# KiCad board SimulTypeUltra.kicad_pcb (continued)
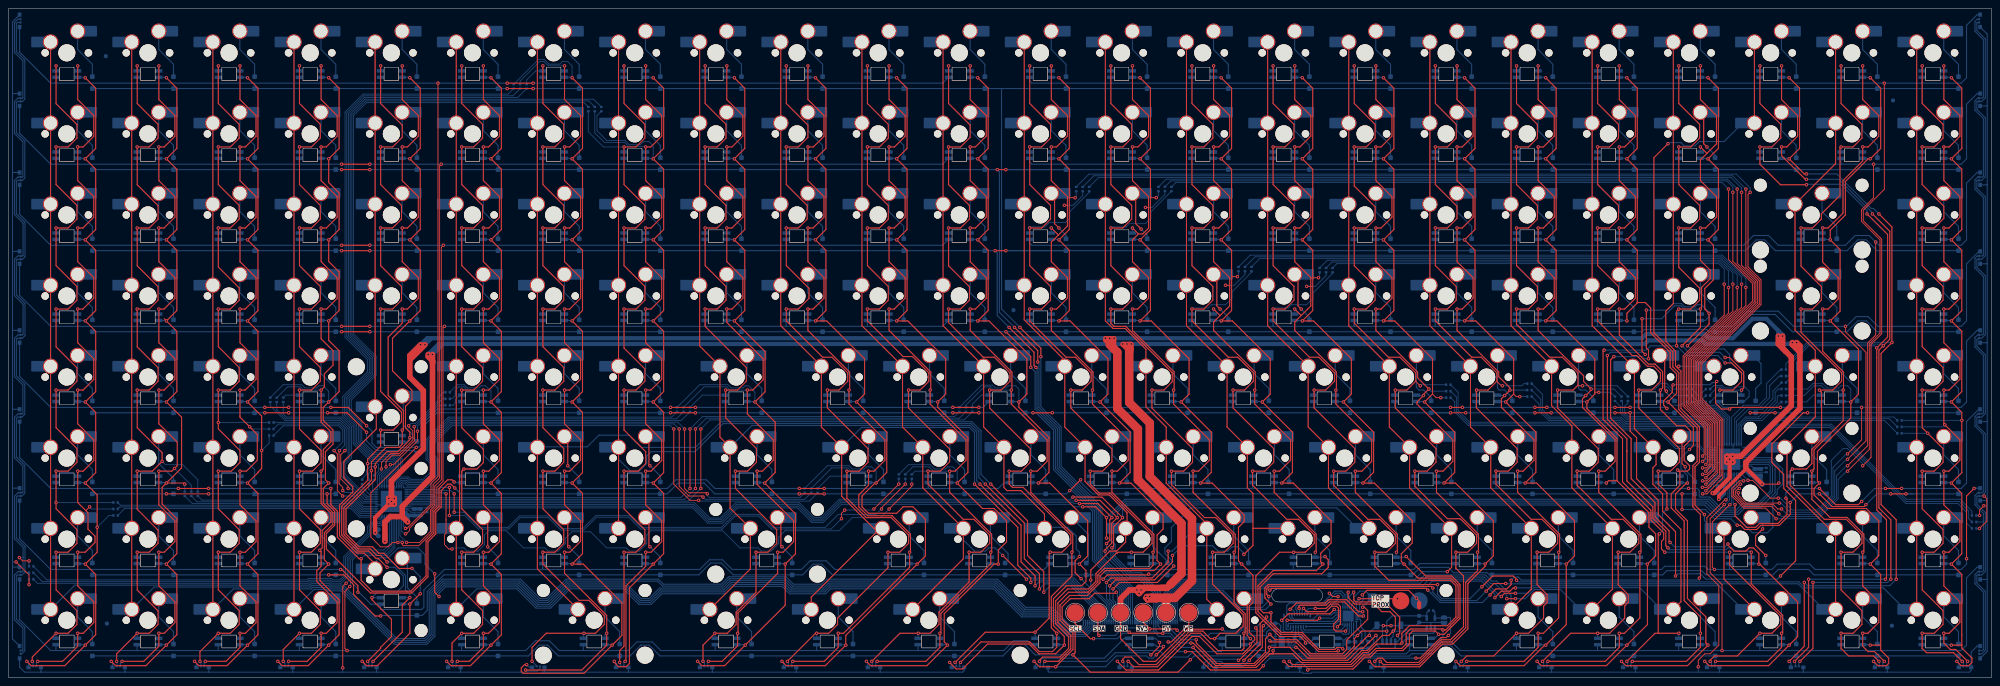
[diagram p0: board, top side]
## Routing (per net, layer and track width the routed paths; a pad name or vN(x,y) marks a point on that pad's centre or on a via; arc(x,y) is an arc through that point) (continued)
/G24c: length 197.5
  Top w0.25: v1(440.42,3.79) 438.14,6.08 436.61,6.08 435.34,7.35 v1(435.34,10.39) 436.57,10.39 439.11,12.94 439.11,17.76 435.34,21.53 v1(435.34,29.44) 435.61,29.71 435.61,33.68 431.66,37.63 427.67,37.63 423.41,41.89 v1(423.41,48.49) 423.91,49 423.91,53.5 430.77,60.35 v1(430.77,67.54) 430.85,67.62 430.85,71.78 425.95,76.68 v1(425.95,86.59) 427.22,86.59 429.59,88.97 429.59,93.96 425.95,97.6 v1(425.95,105.64) 427.22,105.64 430.71,109.14 430.71,116.76 435.34,121.39 v1(435.34,124.69) 436.61,124.69 439.11,127.2 439.11,132.06 435.34,135.83 v1(435.34,143.75)
  Bottom w0.2: R50.1 421.63,66.27 423.91,68.56 425.67,68.56 426.68,67.54 v1(430.77,67.54)
  Bottom w0.25: LED47.2 435.33,124.69 v1(435.34,124.69) ; v1(425.95,86.59) 425.81,86.46 LED93.2 ; v1(440.42,3.79) 440.04,3.41 LED212.2 ; v1(423.41,48.49) 423.43,48.47 LED137.2 ; LED116.2 430.57,67.35 v1(430.77,67.54) ; LED70.2 425.81,105.51 v1(425.95,105.64) ; v1(435.34,29.44) 435.33,29.44 LED159.2 ; v1(435.34,143.75) 435.33,143.74 LED23.2 ; LED175.2 435.33,10.39 v1(435.34,10.39)
/G25c: length 191
  Top w0.25: v1(459.98,3.79) 457.19,6.58 455.92,6.58 454.39,8.11 v1(454.39,10.39) 455.62,10.39 458.16,12.94 458.16,17.76 454.39,21.53 v1(454.39,29.44) 455.62,29.44 458.16,31.99 458.16,36.81 454.39,40.58 v1(454.39,48.49) 455.62,48.49 458.16,51.04 458.16,55.86 v1(454.63,59.4) 454.39,59.63 v1(454.39,67.54) 455.62,67.54 458.16,70.09 458.16,74.91 454.39,78.68 v1(454.39,86.59) 455.62,86.59 458.16,89.14 458.16,93.96 454.39,97.73 v1(454.39,105.64) 455.62,105.64 458.16,108.19 458.16,113.01 454.39,116.78 v1(454.39,124.69) 455.66,124.69 458.16,127.2 458.16,132.06 454.39,135.83 v1(454.39,143.75)
  Bottom w0.2: R51.1 454.14,58.91 v1(454.63,59.4)
  Bottom w0.25: LED71.2 454.38,105.64 v1(454.39,105.64) ; LED94.2 454.38,86.59 v1(454.39,86.59) ; LED138.2 454.38,48.49 v1(454.39,48.49) ; LED117.2 454.38,67.54 v1(454.39,67.54) ; LED24.2 454.38,143.74 v1(454.39,143.75) ; v1(454.39,29.44) 454.38,29.44 LED160.2 ; v1(459.98,3.79) 459.75,3.56 LED213.2 ; v1(454.39,124.69) 454.38,124.69 LED48.2 ; v1(454.39,10.39) 454.38,10.39 LED176.2
/G26c: length 168.7
  Bottom w0.2: 463.68,36.81 463.68,36.56 R52.1
  Bottom w0.25: LED222.2 462.23,154.72 461.7,154.2 461.7,151.87 463.68,149.88 463.68,136.41 463.44,136.17 LED221.2 462.37,136.17 461.7,135.5 461.7,133.32 463.68,131.34 463.68,117.86 463.44,117.62 LED220.2 462.37,117.62 461.7,116.95 461.7,114.77 463.68,112.79 463.68,99.31 463.44,99.07 LED219.2 462.23,99.07 461.7,98.55 461.7,96.22 463.68,94.24 463.68,80.76 463.44,80.52 LED218.2 462.34,80.52 461.7,79.88 461.7,77.67 463.68,75.69 463.68,62.22 463.44,61.98 LED217.2 462.34,61.98 461.7,61.34 461.7,59.09 463.68,57.11 463.68,43.67 463.44,43.43 LED216.2 462.37,43.43 461.7,42.76 461.7,40.57 463.68,38.59 463.68,25.12 463.44,24.88 LED215.2 462.37,24.88 461.7,24.21 461.7,22.02 463.68,20.04 463.68,6.57 463.44,6.33 LED214.2
/GUARD: length 17.3
  Bottom w0.25: J2.9 302.53,15.7 302.25,15.98 302.25,16.74 302.5,17 308.85,17 311.65,19.79 312.66,19.79 313.3,19.15 U2.19
/INT: length 473.5
  Top w0.25: v1(249.92,42.4) 256.74,42.4 v1(261.56,37.57) 261.56,37.53 259.46,35.42 259.46,30.85 v1(259.07,30.46) ; v1(317.95,16.49) 318.36,16.49 319.12,15.73 319.12,13.7 314.19,8.76 314.19,6.58 313.17,5.57 305.8,5.57 302.5,8.87 297.42,8.87 v1(296.15,10.14) 295.14,9.12 295.14,5.95 292.47,3.28 283.71,3.28 278.88,8.11 v1(278.88,8.87)
  Bottom w0.2: U4.7 99.29,41.78 100.01,41.06 161.09,41.06 164.69,37.46 167.09,37.46 170.69,41.06 185.72,41.06 189.15,37.62 190.79,37.62 195.06,41.89 249.42,41.89 v1(249.92,42.4) ; U5.7 413.86,51.69 416.55,49
  Bottom w0.25: v1(296.15,10.14) 296.15,9.98 297.02,9.11 U1.11 ; 416.55,49 416.55,45.45 415.28,44.18 415.28,43.16 414.26,42.14 414.26,35.29 412.99,34.02 409.44,34.02 405.63,37.83 400.97,37.83 398.26,40.54 262.67,40.54 261.56,39.43 v1(261.56,37.57) ; v1(317.95,16.49) 317.95,16.59 TP7.1 318.62,20.3 317.29,20.3 315.83,18.85 315.83,17.5 315.3,16.97 U2.23 ; v1(259.07,30.46) 259.32,30.21 259.32,28.3 263.51,24.11 265.8,24.11 269.89,20.02 J1.36 269.89,12.14 270.62,11.41 272.78,11.41 275.32,8.87 v1(278.88,8.87)
/ISETL: length 5.2
  Bottom w0.2: U4.13 93.94,39.38 94.48,38.84 R101.2
/ISETR: length 5.6
  Bottom w0.2: U5.13 408.45,49.29 409.5,48.24 R102.1
/LEDOFF: length 376.4
  Top w0.25: v1(252.21,40.11) 255.26,40.11 v1(257.8,37.57) v1(257.8,32.75)
  Bottom w0.2: v1(252.21,40.11) 250.18,40.11 249.6,40.69 195.56,40.69 191.29,36.42 188.66,36.42 188.36,36.72 ; 413.62,49 413.62,49.63 413.16,50.09 U5.11 ; U4.11 94.41,40.18 94.81,40.58 98.79,40.58 99.52,39.86 160.6,39.86 164.19,36.26 167.59,36.26 171.18,39.86 185.22,39.86 188.36,36.72 ; 188.36,36.72 188.41,36.66
  Bottom w0.25: J1.37 270.39,20.15 265.93,24.62 263.64,24.62 259.83,28.43 259.83,31.22 258.31,32.75 v1(257.8,32.75) ; 413.62,49 413.62,43.79 410.71,40.88 407.15,40.88 405.63,39.35 401.82,39.35 399.28,41.89 262.12,41.89 v1(257.8,37.57)
/PBOT: length 20
  Top w0.25: J4.1 v1(330.57,18.65) 328.73,20.49 318.94,20.49 v1(317.87,19.41)
  Bottom w0.25: v1(317.87,19.41) 318.11,19.17 318.11,18.27 317.23,17.39 317.23,15.48 316.95,15.21 U2.2
/PTOP: length 13.8
  Top w0.25: v1(317.09,18.52) v1(326.12,18.52) 326.63,18.01 J3.1
  Bottom w0.25: U2.1 316.49,17.92 v1(317.09,18.52) ; v1(326.12,18.52) 326.63,18.01
/R1c: length 170.4
  Top w0.2: v1(4.81,21.82) 4.81,24.11 v1(1.77,27.16)
  Bottom w0.2: R1.1 4.81,21.83 v1(4.81,21.82) ; v1(1.77,27.16) 0.94,27.16
  Bottom w0.25: 0.93,137.14 0.93,154.07 2.65,155.79 LED181.1 ; 0.93,137.14 1.03,137.24 LED182.1 ; 0.93,137.14 0.93,118.6 ; 0.93,62.97 0.93,53.58 0.94,53.57 0.94,44.43 ; 0.93,62.97 1,63.04 LED186.1 ; 0.93,62.97 0.93,81.51 ; 0.93,100.06 0.93,81.51 ; 0.93,100.06 1.02,100.14 LED184.1 ; 0.93,100.06 0.93,118.6 ; 0.93,81.51 1.01,81.59 LED185.1 ; 0.94,44.43 1,44.5 LED187.1 ; 0.94,44.43 0.94,25.89 ; LED189.1 0.94,9.06 0.94,25.89 ; LED183.1 1.02,118.69 0.93,118.6 ; 0.94,25.89 0.99,25.95 LED188.1
/R2c: length 185.1
  Top w0.25: v1(4.31,3.79) 5.32,2.77 13.2,2.77 v1(18.02,7.6) 20.46,10.04 20.46,24.21 v1(18.02,26.65) 20.82,29.44 v1(20.82,35.29) 20.82,42.91 v1(18.02,45.7) 20.46,48.14 20.46,62.31 v1(18.02,64.75) 20.46,67.19 20.46,81.36 v1(18.02,83.8) 20.46,86.24 20.46,100.41 v1(18.02,102.85) 20.46,105.29 20.46,119.46 v1(18.02,121.9) 20.46,124.34 20.46,138.51 v1(18.02,140.95)
  Bottom w0.2: v1(20.82,35.29) 23.61,38.08 R2.1
  Bottom w0.25: v1(18.02,121.9) 17.91,122.01 16.23,122.01 ; v1(18.02,83.8) 17.91,83.91 16.23,83.91 ; 16.23,141.06 17.91,141.06 v1(18.02,140.95) ; v1(18.02,102.85) 17.91,102.96 16.23,102.96 ; 16.23,26.76 17.91,26.76 v1(18.02,26.65) ; 16.23,64.86 17.91,64.86 v1(18.02,64.75) ; v1(18.02,7.6) 17.91,7.71 16.23,7.71 ; 16.23,45.81 17.91,45.81 v1(18.02,45.7) ; v1(4.31,3.79) 4.7,3.39 LED190.1
/R3c: length 187.8
  Top w0.2: v1(41.39,45.45) 41.14,45.7 v1(37.07,45.7)
  Top w0.25: v1(37.07,83.8) 39.51,86.24 39.51,100.41 v1(37.07,102.85) 39.51,105.29 39.51,119.46 v1(37.07,121.9) 39.51,124.34 39.51,138.51 v1(37.07,140.95) ; v1(37.07,83.8) 39.51,81.36 39.51,67.19 v1(37.07,64.75) 40.63,61.19 40.63,49.26 v1(37.07,45.7) 36.06,44.69 36.06,40.78 39.51,37.32 39.51,29.09 v1(37.07,26.65) 39.51,24.21 39.51,10.04 v1(37.07,7.6) 32.25,2.77 25.13,2.77 v1(24.12,3.79) ; v1(37.07,83.8) 36.56,84.31
  Bottom w0.2: R3.1 v1(41.39,45.45)
  Bottom w0.25: v1(37.07,45.7) 36.96,45.81 LED119.1 ; LED2.1 36.96,141.06 v1(37.07,140.95) ; v1(37.07,26.65) 36.96,26.76 LED140.1 ; v1(37.07,64.75) 36.96,64.86 LED96.1 ; LED191.1 24.41,3.5 v1(24.12,3.79) ; LED162.1 36.96,7.71 v1(37.07,7.6) ; LED50.1 36.96,102.96 v1(37.07,102.85) ; LED73.1 36.96,83.91 v1(37.07,83.8) ; LED26.1 36.96,122.01 v1(37.07,121.9)
/R4c: length 183.6
  Top w0.25: v1(43.68,3.79) 44.69,2.77 51.3,2.77 v1(56.12,7.6) 58.56,10.04 58.56,24.21 v1(56.12,26.65) 58.56,29.09 58.56,43.26 v1(56.12,45.7) 58.56,48.14 58.56,48.24 59.42,49.1 v1(59.42,53.32) 59.42,61.45 v1(56.12,64.75) 58.56,67.19 58.56,81.36 v1(56.12,83.8) 58.56,86.24 58.56,100.41 v1(56.12,102.85) 58.56,105.29 58.56,119.46 v1(56.12,121.9) 58.56,124.34 58.56,138.51 v1(56.12,140.95)
  Bottom w0.2: v1(59.42,53.32) 61.2,55.1 R4.1
  Bottom w0.25: LED163.1 56.01,7.71 v1(56.12,7.6) ; v1(56.12,102.85) 56.01,102.96 LED51.1 ; v1(43.68,3.79) 44.11,3.35 LED192.1 ; v1(56.12,121.9) 56.01,122.01 LED27.1 ; LED74.1 56.01,83.91 v1(56.12,83.8) ; LED141.1 56.01,26.76 v1(56.12,26.65) ; LED97.1 56.01,64.86 v1(56.12,64.75) ; v1(56.12,140.95) 56.01,141.06 LED3.1 ; v1(56.12,45.7) 56.01,45.81 LED120.1
/R5c: length 199.6
  Top w0.25: v1(63.23,3.79) 64.25,2.77 70.35,2.77 v1(75.17,7.6) 77.61,10.04 77.61,18.27 73.14,22.74 73.14,24.62 v1(75.17,26.65) 74.16,27.67 74.16,34.02 76.13,35.99 76.13,38.78 73.9,41 73.9,44.43 v1(75.17,45.7) 74.41,46.46 74.41,53.07 76.19,54.84 76.19,58.15 73.9,60.43 73.9,63.48 v1(75.17,64.75) 77.61,67.19 77.61,76.79 75.17,79.23 v1(75.17,83.8) 77.61,86.24 77.61,95.33 75.17,97.77 v1(75.17,102.85) 77.61,105.29 77.61,113.87 75.17,116.31 v1(75.17,121.9) 77.61,124.34 77.61,138.51 v1(75.17,140.95)
  Bottom w0.2: R5.1 64.5,68.81 68.82,68.81 69.58,68.05 72.38,68.05 72.89,68.56 73.9,68.56 75.17,67.29 v1(75.17,64.75)
  Bottom w0.25: v1(75.17,7.6) 75.06,7.71 LED164.1 ; LED121.1 75.06,45.81 v1(75.17,45.7) ; LED193.1 63.82,3.21 v1(63.23,3.79) ; v1(75.17,83.8) 75.06,83.91 LED75.1 ; v1(75.17,140.95) 75.06,141.06 LED4.1 ; LED52.1 75.06,102.96 v1(75.17,102.85) ; LED28.1 75.06,122.01 v1(75.17,121.9) ; v1(75.17,26.65) 75.06,26.76 LED142.1 ; LED98.1 75.06,64.86 v1(75.17,64.75)
/R6c: length 194.4
  Top w0.25: v1(94.22,140.95) 96.66,138.51 96.66,124.34 v1(94.22,121.9) 96.66,119.46 96.66,105.29 v1(94.22,102.85) 96.66,100.41 96.66,86.24 v1(94.22,83.8) 90.16,79.74 90.16,72.08 94.73,67.5 94.73,65.26 93.21,63.73 93.21,58.65 94.22,57.64 v1(94.22,56.37) 94.22,55.86 91.43,53.07 88.89,53.07 86.1,50.28 v1(86.1,49.51) 86.1,46.47 79.24,39.6 79.24,33.76 82.28,30.71 85.46,30.71 86.98,29.19 88.13,29.19 91.68,25.63 v1(94.73,25.63) ; v1(83.05,3.79) 84.06,2.77 86.6,2.77 94.22,10.39 v1(94.22,17.25) v1(96.66,19.7)
  Bottom w0.2: v1(86.1,49.51) 84.82,49.51 84.06,48.75 84.06,47.73 83.05,46.72 R6.1
  Bottom w0.25: v1(94.22,102.85) 94.11,102.96 92.43,102.96 ; 92.43,141.06 94.11,141.06 v1(94.22,140.95) ; 92.43,55.34 93.44,55.34 94.22,56.11 v1(94.22,56.37) ; v1(94.22,17.25) 94.21,17.24 92.43,17.24 ; 92.43,122.01 94.11,122.01 v1(94.22,121.9) ; v1(94.73,25.63) 96.66,23.7 v1(96.66,19.7) ; v1(83.05,3.79) 83.52,3.32 LED194.1 ; 92.43,83.91 94.11,83.91 v1(94.22,83.8)
/R7c: length 190.6
  Top w0.25: v1(102.86,3.79) 103.87,2.77 108.45,2.77 v1(113.27,7.6) 115.71,10.04 115.71,24.21 v1(113.27,26.65) 115.71,29.09 115.71,43.26 v1(113.27,45.7) 115.71,48.14 115.71,62.31 v1(113.27,64.75) 115.71,67.19 115.71,81.36 v1(113.27,83.8) 115.71,86.24 115.71,100.41 v1(113.27,102.85) 115.71,105.29 115.71,119.46 v1(113.27,121.9) 115.71,124.34 115.71,138.51 v1(113.27,140.95)
  Bottom w0.2: R7.1 103.62,67.04 105.4,68.81 106.98,68.81 107.74,68.05 110.48,68.05 110.99,68.56 112,68.56 113.27,67.29 v1(113.27,64.75)
  Bottom w0.25: v1(113.27,26.65) 113.16,26.76 111.48,26.76 ; 111.48,83.91 113.16,83.91 v1(113.27,83.8) ; 111.48,141.06 113.16,141.06 v1(113.27,140.95) ; v1(102.86,3.79) 103.23,3.42 LED195.1 ; v1(113.27,64.75) 113.16,64.86 111.48,64.86 ; 111.48,45.81 113.16,45.81 v1(113.27,45.7) ; v1(113.27,7.6) 113.16,7.71 111.48,7.71 ; 111.48,102.96 113.16,102.96 v1(113.27,102.85) ; v1(113.27,121.9) 113.16,122.01 111.48,122.01
/R8c: length 215.6
  Top w0.25: v1(121.65,3.03) 121.15,3.03 120.38,2.27 120.38,1.5 120.89,1 135.12,1 v1(141.72,7.6) 144.01,9.89 144.01,17.59 134.95,26.65 v1(132.32,26.65) 134.76,29.09 134.76,43.26 v1(132.32,45.7) 134.76,48.14 134.76,62.31 v1(132.32,64.75) 134.76,67.19 134.76,81.36 v1(132.32,83.8) 134.76,86.24 134.76,100.41 v1(132.32,102.85) 134.76,105.29 134.76,119.46 v1(132.32,121.9) 134.76,124.34 134.76,138.51 v1(132.32,140.95)
  Bottom w0.2: v1(132.32,140.95) 132.32,143.75 131.31,144.76 130.04,144.76 129.42,144.14 126.9,144.14 125.77,145.27 124.45,145.27 R8.1
  Bottom w0.25: v1(132.32,140.95) 132.21,141.06 LED7.1 ; v1(132.32,64.75) 132.21,64.86 LED101.1 ; v1(121.65,3.03) 122.3,2.38 LED196.1 ; v1(132.32,83.8) 132.21,83.91 LED78.1 ; v1(141.72,7.6) 141.61,7.71 LED166.1 ; v1(132.32,26.65) 132.21,26.76 LED145.1 ; v1(132.32,121.9) 132.21,122.01 LED31.1 ; v1(132.32,102.85) 132.21,102.96 LED55.1 ; LED123.1 132.21,45.81 v1(132.32,45.7)
/R9c: length 194.4
  Top w0.25: v1(151.37,140.95) 153.81,138.51 153.81,124.34 v1(151.37,121.9) 153.81,119.46 153.81,105.29 v1(151.37,102.85) 153.81,100.41 153.81,86.24 v1(151.37,83.8) 153.81,81.36 153.81,67.19 v1(151.37,64.75) 153.81,62.31 153.81,48.14 v1(151.37,45.7) 153.81,43.26 153.81,29.09 v1(151.37,26.65) 145.78,21.06 145.78,3.28 145.02,2.52 143.24,2.52 142.23,3.54 v1(142.23,3.79)
  Bottom w0.2: R9.1 138.16,132.06 138.16,128.5 140.45,126.22 144.77,126.22 145.78,125.2 148.32,125.2 149.09,125.96 150.36,125.96 151.37,124.95 v1(151.37,121.9)
  Bottom w0.25: v1(151.37,140.95) 151.26,141.06 LED8.1 ; v1(151.37,102.85) 151.26,102.96 LED56.1 ; LED197.1 142.63,3.38 v1(142.23,3.79) ; v1(151.37,64.75) 151.26,64.86 LED102.1 ; v1(151.37,83.8) 151.26,83.91 LED79.1 ; v1(151.37,45.7) 151.26,45.81 LED124.1 ; v1(151.37,26.65) 151.26,26.76 LED146.1 ; LED32.1 151.26,122.01 v1(151.37,121.9)
/R10c: length 208.3
  Top w0.25: v1(161.79,3.79) 162.8,2.77 168.14,2.77 v1(172.96,7.6) 182.36,17 v1(182.36,26.65) 184.77,29.06 184.77,38.46 v1(177.53,45.7) 180.01,48.18 180.01,59.99 v1(175.25,64.75) 177.63,67.13 177.63,76.6 v1(170.42,83.8) 172.86,86.24 172.86,100.41 v1(170.42,102.85) 172.86,105.29 172.86,119.46 v1(170.42,121.9) 172.86,124.34 172.86,138.51 v1(170.42,140.95)
  Bottom w0.2: v1(175.25,64.75) 175.25,67.04 173.72,68.56 172.96,68.56 172.45,68.05 169.66,68.05 168.9,68.81 162.29,68.81 R10.1
  Bottom w0.25: v1(177.53,45.7) 177.42,45.81 LED125.1 ; LED80.1 170.31,83.91 v1(170.42,83.8) ; LED167.1 172.85,7.71 v1(172.96,7.6) ; LED33.1 170.31,122.01 v1(170.42,121.9) ; LED198.1 162.34,3.24 v1(161.79,3.79) ; v1(182.36,26.65) 182.25,26.76 LED147.1 ; v1(170.42,102.85) 170.31,102.96 LED57.1 ; LED9.1 170.31,141.06 v1(170.42,140.95) ; v1(175.25,64.75) 175.14,64.86 LED103.1
/R11c: length 230.6
  Top w0.25: v1(189.47,140.95) 191.91,138.51 191.91,124.34 v1(189.47,121.9) 191.91,119.46 191.91,105.29 v1(189.47,102.85) 191.91,100.41 191.91,86.24 v1(189.47,83.8) 192.1,83.8 200.99,74.91 200.99,66.62 v1(199.12,64.75) 206.2,57.67 206.2,48.21 v1(203.7,45.7) 203.44,45.7 200.39,42.65 200.39,40.11 201.92,38.59 208.52,38.59 210.05,40.11 212.33,40.11 215.28,37.17 215.28,28.58 v1(213.35,26.65) 196.58,9.89 v1(196.58,7.6) 191.76,2.77 182.61,2.77 v1(181.6,3.79)
  Bottom w0.2: v1(203.7,45.7) 203.7,48.49 202.68,49.51 201.41,49.51 200.9,49 198.11,49 197.35,49.76 192.27,49.76 R11.1
  Bottom w0.25: v1(199.12,64.75) 199.01,64.86 LED104.1 ; v1(181.6,3.79) 182.04,3.35 LED199.1 ; v1(189.47,140.95) 189.36,141.06 LED10.1 ; LED126.1 203.58,45.81 v1(203.7,45.7) ; v1(189.47,102.85) 189.36,102.96 LED58.1 ; v1(189.47,121.9) 189.36,122.01 LED34.1 ; LED168.1 196.47,7.71 v1(196.58,7.6) ; LED81.1 189.36,83.91 v1(189.47,83.8) ; v1(213.35,26.65) 213.24,26.76 LED148.1
/R12c: length 220.2
  Top w0.25: v1(208.52,140.95) 210.96,138.51 210.96,124.34 v1(208.52,121.9) 210.96,119.46 210.96,105.29 v1(208.52,102.85) 210.96,100.41 210.96,86.24 v1(208.52,83.8) 211.15,83.8 220.04,74.91 220.04,66.62 v1(218.17,64.75) 218.17,63.48 225.25,56.4 225.25,48.21 v1(222.75,45.7) 222.75,45.65 228.68,39.72 231.42,39.72 234.33,36.81 234.33,31.88 232.4,29.95 v1(232.4,26.65) 231.38,26.65 219.7,14.97 219.7,8.36 v1(220.46,7.6) 215.63,2.77 202.43,2.77 v1(201.41,3.79)
  Bottom w0.2: 209.03,47.73 R12.1 211.31,50.02 216.4,50.02 217.41,49 219.95,49 220.46,49.51 221.73,49.51 222.75,48.49 v1(222.75,45.7)
  Bottom w0.25: LED200.1 201.75,3.45 v1(201.41,3.79) ; LED82.1 208.41,83.91 v1(208.52,83.8) ; LED35.1 208.41,122.01 v1(208.52,121.9) ; LED11.1 208.41,141.06 v1(208.52,140.95) ; v1(222.75,45.7) 222.63,45.81 LED127.1 ; LED149.1 232.29,26.76 v1(232.4,26.65) ; LED169.1 220.35,7.71 v1(220.46,7.6) ; LED105.1 218.06,64.86 v1(218.17,64.75) ; LED59.1 208.41,102.96 v1(208.52,102.85)
/R13c: length 232.5
  Top w0.25: v1(227.57,140.95) 230.01,138.51 230.01,124.34 v1(227.57,121.9) 230.01,119.46 230.01,105.29 v1(227.57,102.85) 230.01,100.41 230.01,86.24 v1(227.57,83.8) 230.2,83.8 239.09,74.91 239.09,66.62 v1(237.22,64.75) 237.22,63.48 244.3,56.4 244.3,48.21 v1(241.8,45.7) 244.48,45.7 253.38,36.81 253.38,28.58 v1(251.45,26.65) 252.97,25.13 252.97,22.59 251.96,21.57 248.4,21.57 245.35,18.52 245.35,12.18 247.89,9.64 v1(247.89,7.6) 245.86,5.57 241.92,5.57 239.63,7.85 229.86,7.85 224.02,2.01 222.49,2.01 v1(220.97,3.54)
  Bottom w0.2: R13.1 228.48,68.71 230.98,68.71 231.64,68.05 234.18,68.05 234.68,68.56 236.46,68.56 237.22,67.8 v1(237.22,64.75)
  Bottom w0.25: LED83.1 227.46,83.91 v1(227.57,83.8) ; LED150.1 251.34,26.76 v1(251.45,26.65) ; v1(241.8,45.7) 241.68,45.81 LED128.1 ; v1(227.57,121.9) 227.46,122.01 LED36.1 ; LED60.1 227.46,102.96 v1(227.57,102.85) ; LED12.1 227.46,141.06 v1(227.57,140.95) ; LED106.1 237.11,64.86 v1(237.22,64.75) ; v1(247.89,7.6) 247.78,7.71 LED177.1 ; LED201.1 221.45,3.05 v1(220.97,3.54)
/R14c: length 238.4
  Top w0.2: v1(250.43,112.76) 249.06,112.76
  Top w0.25: v1(246.62,140.95) 249.06,138.51 249.06,124.34 v1(246.62,121.9) 249.06,119.46 249.06,105.29 v1(246.62,102.85) 249.06,100.41 249.06,86.24 v1(246.62,83.8) 249.25,83.8 258.14,74.91 258.14,66.62 v1(256.27,64.75) 263.35,57.67 263.35,48.21 v1(260.85,45.7) 263.53,45.7 271.08,38.15 271.08,34.89 269.67,33.48 269.67,27.48 v1(270.5,26.65) 268.97,25.13 257.54,25.13 256.27,23.86 256.27,22.27 253.29,19.28 249.16,19.28 246.88,17 246.88,13.44 249.92,10.39 249.92,6.58 v1(245.86,2.52) 242.05,2.52 v1(240.78,3.79) ; v1(271.14,7.29) 271.14,6.97 v1(269.48,5.31)
  Bottom w0.2: v1(250.43,112.76) 250.69,113.01 R14.1
  Bottom w0.25: v1(270.5,26.65) 270.39,26.76 LED151.1 ; v1(271.14,7.29) 269.54,7.29 269.12,7.71 LED178.1 ; LED84.1 246.51,83.91 v1(246.62,83.8) ; v1(246.62,121.9) 246.51,122.01 LED37.1 ; v1(246.62,140.95) 246.51,141.06 LED13.1 ; LED202.1 241.15,3.42 v1(240.78,3.79) ; LED61.1 246.51,102.96 v1(246.62,102.85) ; LED107.1 256.16,64.86 v1(256.27,64.75) ; v1(245.86,2.52) 257.54,2.52 260.08,5.06 267.2,5.06 267.7,4.55 268.72,4.55 v1(269.48,5.31) ; v1(260.85,45.7) 260.73,45.81 LED129.1
/R15c: length 216.8
  Top w0.2: v1(269.48,112.76) 268.11,112.76
  Top w0.25: v1(265.67,140.95) 268.11,138.51 268.11,124.34 v1(265.67,121.9) 268.11,119.46 268.11,105.29 v1(265.67,102.85) 268.11,100.41 268.11,86.24 v1(265.67,83.8) 268.3,83.8 277.19,74.91 277.19,66.62 v1(275.32,64.75) 282.4,57.67 282.4,48.21 v1(279.9,45.7) 282.58,45.7 290.13,38.15 290.13,36.63 288.79,35.29 288.79,27.41 v1(289.55,26.65) 292.19,24.01 292.19,17.66 291.33,16.79 291.33,10.65 292.6,9.38 292.6,8.87 v1(291.58,7.85) 291.58,7.35 289.8,5.57 283.71,5.57 279.64,9.63 277.86,9.63 269.99,1.76 262.37,1.76 v1(260.34,3.79)
  Bottom w0.2: v1(269.48,112.76) 269.99,113.26 R15.1
  Bottom w0.25: LED152.1 289.44,26.76 v1(289.55,26.65) ; v1(265.67,83.8) 265.56,83.91 LED85.1 ; v1(265.67,121.9) 265.56,122.01 LED38.1 ; LED108.1 275.21,64.86 v1(275.32,64.75) ; LED62.1 265.56,102.96 v1(265.67,102.85) ; v1(260.34,3.79) 260.86,3.27 LED203.1 ; v1(265.67,140.95) 265.56,141.06 LED14.1 ; v1(279.9,45.7) 279.78,45.81 LED130.1 ; v1(291.58,7.85) 290.63,7.85 290.49,7.71 LED170.1
/R16c: length 226.1
  Top w0.2: v1(288.53,94.21) 287.16,94.21
  Top w0.25: v1(312.2,6.29) 311.99,6.08 307.58,6.08 303.52,10.14 298.69,10.14 295.26,13.57 ; v1(288.79,4.04) 288.91,4.04 293.13,8.26 293.13,11.39 v1(292.85,11.66) ; 295.26,13.57 293.36,15.47 293.36,21.57 296.91,25.13 307.07,25.13 v1(308.6,26.65) 308.09,27.16 308.09,29.19 310.53,31.63 310.53,36.81 301.63,45.7 v1(298.95,45.7) 301.45,48.21 301.45,57.67 v1(294.37,64.75) 296.24,66.62 296.24,74.91 287.35,83.8 v1(284.72,83.8) 287.16,86.24 287.16,100.41 v1(284.72,102.85) 287.16,105.29 287.16,119.46 v1(284.72,121.9) 287.16,124.34 287.16,138.51 v1(284.72,140.95) ; 295.26,13.57 295.01,13.82 v1(295.39,14.2)
  Bottom w0.2: v1(288.53,94.21) 288.79,94.47 R16.1
  Bottom w0.25: LED109.1 294.26,64.86 v1(294.37,64.75) ; v1(298.95,45.7) 298.83,45.81 LED131.1 ; LED153.1 308.49,26.76 v1(308.6,26.65) ; LED39.1 284.61,122.01 v1(284.72,121.9) ; LED204.1 280.56,3.19 281.67,4.3 288.53,4.3 v1(288.79,4.04) ; LED15.1 284.61,141.06 v1(284.72,140.95) ; v1(284.72,102.85) 284.61,102.96 LED63.1 ; LED86.1 284.61,83.91 v1(284.72,83.8) ; v1(312.2,6.29) 312.08,6.42 LED179.1 ; v1(295.39,14.2) v1(292.85,11.66)
/R17c: length 231.9
  Top w0.2: v1(307.58,93.96) 306.21,93.96
  Top w0.25: v1(299.45,3.79) 300.67,2.58 315.51,2.58 318.25,5.31 319.52,5.31 321.04,6.84 327.14,6.84 328.16,7.85 328.16,10.39 329.17,11.41 336.54,11.41 v1(336.79,11.16) 337.43,11.16 340.35,14.08 340.35,21.7 338.69,23.35 330.95,23.35 v1(327.65,26.65) 327.01,27.29 327.01,29.06 329.58,31.63 329.58,36.81 320.68,45.7 v1(318,45.7) 320.5,48.21 320.5,57.67 v1(313.42,64.75) 315.29,66.62 315.29,74.91 306.4,83.8 v1(303.77,83.8) 306.21,86.24 306.21,100.41 v1(303.77,102.85) 306.21,105.29 306.21,119.46 v1(303.77,121.9) 306.21,124.34 306.21,138.51 v1(303.77,140.95)
  Bottom w0.2: v1(307.58,93.96) 307.84,94.21 R17.1
  Bottom w0.25: v1(336.79,11.16) 336.79,9.58 334.93,7.71 LED180.1 ; v1(303.77,140.95) 303.66,141.06 LED16.1 ; v1(303.77,121.9) 303.66,122.01 LED40.1 ; v1(299.45,3.79) 300.27,2.98 LED205.1 ; LED87.1 303.66,83.91 v1(303.77,83.8) ; v1(303.77,102.85) 303.66,102.96 LED64.1 ; v1(313.42,64.75) 313.31,64.86 LED110.1 ; LED132.1 317.88,45.81 v1(318,45.7) ; LED154.1 327.54,26.76 v1(327.65,26.65)
/R18c: length 201
  Top w0.2: 334.34,66.62 335.19,65.77 v1(336.28,65.77)
  Top w0.25: v1(319.52,3.79) 320.79,2.52 331.33,2.52 336.66,7.85 339.08,7.85 342.63,11.41 342.63,22.08 346.7,26.14 v1(346.7,26.65) 348.63,28.58 348.63,36.81 339.73,45.7 v1(337.05,45.7) 339.55,48.21 339.55,57.67 v1(332.47,64.75) 334.34,66.62 334.34,74.91 325.45,83.8 v1(322.82,83.8) 325.26,86.24 325.26,100.41 v1(322.82,102.85) 325.26,105.29 325.26,119.46 v1(322.82,121.9) 325.26,124.34 325.26,138.51 v1(322.82,140.95)
  Bottom w0.2: R18.1 v1(336.28,65.77)
  Bottom w0.25: LED206.1 319.97,3.34 v1(319.52,3.79) ; LED133.1 336.93,45.81 v1(337.05,45.7) ; v1(332.47,64.75) 332.36,64.86 LED111.1 ; LED65.1 322.71,102.96 v1(322.82,102.85) ; LED41.1 322.71,122.01 v1(322.82,121.9) ; v1(346.7,26.65) 346.59,26.76 LED155.1 ; LED17.1 322.71,141.06 v1(322.82,140.95) ; LED88.1 322.71,83.91 v1(322.82,83.8)
/R19c: length 202.9
  Top w0.2: v1(354.83,66.02) 353.99,66.02 353.39,66.62
  Top w0.25: v1(341.87,140.95) 344.31,138.51 344.31,124.34 v1(341.87,121.9) 344.31,119.46 344.31,105.29 v1(341.87,102.85) 344.31,100.41 344.31,86.24 v1(341.87,83.8) 344.5,83.8 353.39,74.91 353.39,66.62 v1(351.52,64.75) 358.6,57.67 358.6,48.21 v1(356.1,45.7) 358.78,45.7 367.68,36.81 367.68,28.58 v1(365.75,26.65) 365.75,12.43 v1(360.92,7.6) 360.67,7.6 355.84,2.77 340.86,2.77 v1(339.84,3.79)
  Bottom w0.2: R19.1 v1(354.83,66.02)
  Bottom w0.25: v1(341.87,102.85) 341.76,102.96 LED66.1 ; LED156.1 365.64,26.76 v1(365.75,26.65) ; v1(341.87,140.95) 341.76,141.06 LED18.1 ; v1(356.1,45.7) 355.98,45.81 LED134.1 ; LED42.1 341.76,122.01 v1(341.87,121.9) ; v1(341.87,83.8) 341.76,83.91 LED89.1 ; v1(351.52,64.75) 351.41,64.86 LED112.1 ; v1(360.92,7.6) 360.81,7.71 LED171.1 ; LED207.1 339.68,3.63 v1(339.84,3.79)
/R20c: length 203.8
  Top w0.2: v1(373.37,67.04) 372.44,67.04
  Top w0.25: v1(375.15,45.7) 375.69,46.24 377.65,46.24 ; v1(358.89,3.79) 359.91,2.77 375.15,2.77 v1(379.97,7.6) 384.8,12.43 v1(384.8,26.65) 386.73,28.58 386.73,33.76 385.15,35.34 385.15,38.74 377.65,46.24 ; 377.65,46.24 377.65,56.15 370.57,63.23 v1(370.57,64.75) 372.44,66.62 372.44,74.91 363.55,83.8 v1(360.92,83.8) 363.36,86.24 363.36,100.41 v1(360.92,102.85) 363.36,105.29 363.36,119.46 v1(360.92,121.9) 363.36,124.34 363.36,138.51 v1(360.92,140.95)
  Bottom w0.2: R20.1 376.16,67.04 v1(373.37,67.04)
  Bottom w0.25: v1(358.89,3.79) 359.38,3.3 LED208.1 ; v1(360.92,83.8) 360.81,83.91 LED90.1 ; v1(370.57,64.75) 370.46,64.86 LED113.1 ; LED19.1 360.81,141.06 v1(360.92,140.95) ; LED43.1 360.81,122.01 v1(360.92,121.9) ; LED135.1 375.03,45.81 v1(375.15,45.7) ; LED67.1 360.81,102.96 v1(360.92,102.85) ; v1(379.97,7.6) 379.86,7.71 378.18,7.71 ; v1(384.8,26.65) 384.69,26.76 LED157.1
/R21c: length 200.7
  Top w0.25: v1(378.7,3.79) 379.72,2.77 394.2,2.77 v1(399.02,7.6) 398.51,8.11 398.51,14.25 394.2,18.57 394.2,36.81 391.4,39.6 391.4,43.16 393.94,45.7 v1(394.2,45.7) ; v1(394.68,53.59) 395.59,54.5 395.59,58.78 v1(389.62,64.75) 391.66,66.78 391.66,71.35 390.13,72.88 390.13,76.43 385.56,81.01 385.56,86.85 384.29,88.12 382.41,88.12 ; v1(379.97,140.95) 382.41,138.51 382.41,124.34 v1(379.97,121.9) 382.41,119.46 382.41,105.29 v1(379.97,102.85) 382.41,100.41 382.41,88.12 ; v1(379.97,83.8) 379.97,85.58 382.41,88.02 382.41,88.12
  Bottom w0.2: v1(389.62,64.75) 390.39,63.99 392.67,63.99 393.43,64.75 R21.1
  Bottom w0.25: v1(389.62,64.75) 389.51,64.86 LED114.1 ; v1(379.97,140.95) 379.86,141.06 378.18,141.06 ; 378.18,83.91 379.86,83.91 v1(379.97,83.8) ; v1(394.68,53.59) 392.67,51.58 392.67,49 394.2,47.48 v1(394.2,45.7) 394.08,45.81 LED136.1 ; v1(379.97,102.85) 379.86,102.96 378.18,102.96 ; LED173.1 398.91,7.71 v1(399.02,7.6) ; 378.18,122.01 379.86,122.01 v1(379.97,121.9) ; v1(378.7,3.79) 379.08,3.41 LED209.1
